# Altium PCB PM12_CFD.PcbDoc (part 11 of 12)
Units mm, origin at the board's own origin, x right, y up, seen from the top; angles counter-clockwise.
Board outline 96.25 x 362.25 mm, 6 copper layers (Top Layer, Mid-Layer 1, Mid-Layer 2, Mid-Layer 3, Mid-Layer 4, Bottom Layer); 1413 components, 2881 nets, 4503 pads, 1682 vias.
Unrouted connection lines stored in the file: 4.
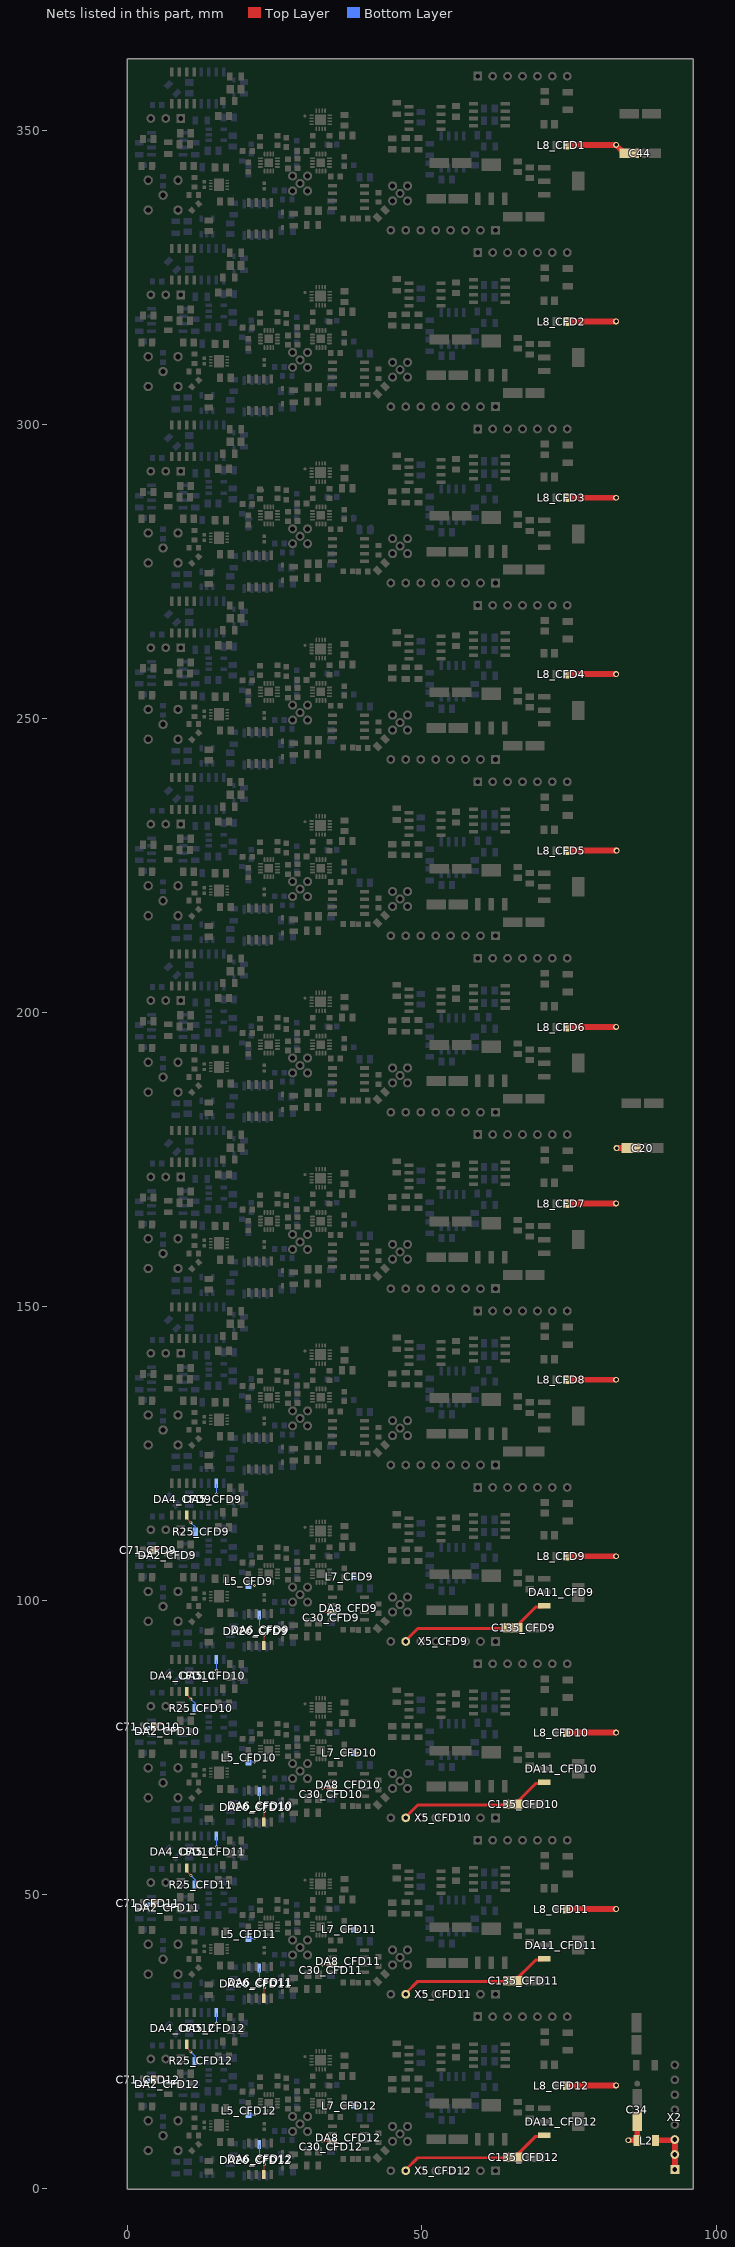
[diagram p15: the nets of this part, all layers, seen from the top]

## Via types
v1: diameter 0.48, hole 0.25, Top Layer to Bottom Layer, 1581 vias
v2: diameter 1, hole 0.6, Top Layer to Bottom Layer, 46 vias
v3: diameter 0.2/0/0/0/0/0.48 (per signal layer), hole 0.25, Top Layer to Bottom Layer, 33 vias
v4: diameter 4, hole 2.2, Top Layer to Bottom Layer, 12 vias
v5: diameter 0.5/0/0/0/0/1 (per signal layer), hole 0.6, Top Layer to Bottom Layer, 10 vias

## Nets (pads, with @x,y where several pads share a name; then routed paths per layer and width w, separated by ;. In a path a pad name is that pad's centre, name@x,y a point inside that pad or via, vN(x,y) a via of type N, cw(c..) or ccw(c..) an arc to the next point about the centre after c; other vN are vias at no path point) (continued)
P5V0_CFD9: C30_CFD9.2 C71_CFD9.2 C135_CFD9.1 DA2_CFD9.3 DA4_CFD9.7 DA5_CFD9.7 DA6_CFD9.7 DA8_CFD9.7 DA11_CFD9.3 DA20_CFD9.7 L5_CFD9.1 L7_CFD9.1 R25_CFD9.1 X5_CFD9.7 | length 43.8
  Top Layer w0.2: C71_CFD9.2@4.5,108.44 4.5,108.577 4.869,108.946 5.746,108.946 v1(5.8,109) ; DA4_CFD9.7@10,114.7 10,113.925 10.7,113.225 v1(10.7,113.2) ; DA6_CFD9.7@23.2,92.3 v3(23.2,94.1) ; v1(33.1,98) DA8_CFD9.7@35,98
  Top Layer w0.5: X5_CFD9.7@47.26,93.2 49.26,95.2 65.7,95.2 69.35,98.85 70.45,98.85 DA11_CFD9.3@70.7,99.1
  Bottom Layer w0.2: DA2_CFD9.3@4.2,108.44 4.95,108.44 5.456,108.946 5.746,108.946 v1(5.8,109) ; v1(10.7,113.2) 11.43,112.47 R25_CFD9.1@11.43,111.7 ; v1(15.07,118.1) DA5_CFD9.7@15.07,119.7 ; L5_CFD9.1@20.507,102.55 21.503,102.55 v1(21.53,102.523) ; v1(22.33,95.17) 22.38,95.22 22.38,97.25 DA20_CFD9.7@22.43,97.3 ; v1(33.1,98) C30_CFD9.2@34.6,98 ; L7_CFD9.1@38.264,104 v1(39.13,104)
  other v1: 23.2,94.1
P5V0_CFD10: C30_CFD10.2 C71_CFD10.2 C135_CFD10.1 DA2_CFD10.3 DA4_CFD10.7 DA5_CFD10.7 DA6_CFD10.7 DA8_CFD10.7 DA11_CFD10.3 DA20_CFD10.7 L5_CFD10.1 L7_CFD10.1 R25_CFD10.1 X5_CFD10.7 | length 43.8
  Top Layer w0.2: C71_CFD10.2@4.5,78.44 4.5,78.577 4.869,78.946 5.746,78.946 v1(5.8,79) ; DA4_CFD10.7@10,84.7 10,83.925 10.7,83.225 v1(10.7,83.2) ; DA6_CFD10.7@23.2,62.3 v1(23.2,64.1) ; v1(33.1,68) DA8_CFD10.7@35,68
  Top Layer w0.5: X5_CFD10.7@47.26,63.2 49.26,65.2 65.7,65.2 69.35,68.85 70.45,68.85 DA11_CFD10.3@70.7,69.1
  Bottom Layer w0.2: DA2_CFD10.3@4.2,78.44 4.95,78.44 5.456,78.946 5.746,78.946 v1(5.8,79) ; v1(10.7,83.2) 11.43,82.47 R25_CFD10.1@11.43,81.7 ; v1(15.07,88.1) DA5_CFD10.7@15.07,89.7 ; L5_CFD10.1@20.507,72.55 21.503,72.55 v1(21.53,72.523) ; v1(22.33,65.17) 22.38,65.22 22.38,67.25 DA20_CFD10.7@22.43,67.3 ; v1(33.1,68) C30_CFD10.2@34.6,68 ; L7_CFD10.1@38.264,74 v1(39.13,74)
  other v3: 23.2,64.1
P5V0_CFD11: C30_CFD11.2 C71_CFD11.2 C135_CFD11.1 DA2_CFD11.3 DA4_CFD11.7 DA5_CFD11.7 DA6_CFD11.7 DA8_CFD11.7 DA11_CFD11.3 DA20_CFD11.7 L5_CFD11.1 L7_CFD11.1 R25_CFD11.1 X5_CFD11.7 | length 43.8
  Top Layer w0.2: C71_CFD11.2@4.5,48.44 4.5,48.577 4.869,48.946 5.746,48.946 v1(5.8,49) ; DA4_CFD11.7@10,54.7 10,53.925 10.7,53.225 v1(10.7,53.2) ; DA6_CFD11.7@23.2,32.3 v3(23.2,34.1) ; v1(33.1,38) DA8_CFD11.7@35,38
  Top Layer w0.5: X5_CFD11.7@47.26,33.2 49.26,35.2 65.7,35.2 69.35,38.85 70.45,38.85 DA11_CFD11.3@70.7,39.1
  Bottom Layer w0.2: DA2_CFD11.3@4.2,48.44 4.95,48.44 5.456,48.946 5.746,48.946 v1(5.8,49) ; v1(10.7,53.2) 11.43,52.47 R25_CFD11.1@11.43,51.7 ; v1(15.07,58.1) DA5_CFD11.7@15.07,59.7 ; L5_CFD11.1@20.507,42.55 21.503,42.55 v1(21.53,42.523) ; v1(22.33,35.17) 22.38,35.22 22.38,37.25 DA20_CFD11.7@22.43,37.3 ; v1(33.1,38) C30_CFD11.2@34.6,38 ; L7_CFD11.1@38.264,44 v1(39.13,44)
  other v1: 23.2,34.1
P5V0_CFD12: C30_CFD12.2 C71_CFD12.2 C135_CFD12.1 DA2_CFD12.3 DA4_CFD12.7 DA5_CFD12.7 DA6_CFD12.7 DA8_CFD12.7 DA11_CFD12.3 DA20_CFD12.7 L5_CFD12.1 L7_CFD12.1 R25_CFD12.1 X5_CFD12.7 | length 43.8
  Top Layer w0.2: C71_CFD12.2@4.5,18.44 4.5,18.577 4.869,18.946 5.746,18.946 v1(5.8,19) ; DA4_CFD12.7@10,24.7 10,23.925 10.7,23.225 v1(10.7,23.2) ; DA6_CFD12.7@23.2,2.3 v1(23.2,4.1) ; v1(33.1,8) DA8_CFD12.7@35,8
  Top Layer w0.5: X5_CFD12.7@47.26,3.2 49.26,5.2 65.7,5.2 69.35,8.85 70.45,8.85 DA11_CFD12.3@70.7,9.1
  Bottom Layer w0.2: DA2_CFD12.3@4.2,18.44 4.95,18.44 5.456,18.946 5.746,18.946 v1(5.8,19) ; v1(10.7,23.2) 11.43,22.47 R25_CFD12.1@11.43,21.7 ; v1(15.07,28.1) DA5_CFD12.7@15.07,29.7 ; L5_CFD12.1@20.507,12.55 21.503,12.55 v1(21.53,12.523) ; v1(22.33,5.17) 22.38,5.22 22.38,7.25 DA20_CFD12.7@22.43,7.3 ; v1(33.1,8) C30_CFD12.2@34.6,8 ; L7_CFD12.1@38.264,14 v1(39.13,14)
  other v3: 23.2,4.1
P5V5: C20.1 C34.1 C44.1 L2.2 L8_CFD1.1 L8_CFD2.1 L8_CFD3.1 L8_CFD4.1 L8_CFD5.1 L8_CFD6.1 L8_CFD7.1 L8_CFD8.1 L8_CFD9.1 L8_CFD10.1 L8_CFD11.1 L8_CFD12.1 | length 110.1
  Top Layer w1: L8_CFD12.1@74.6,17.5 v2(83,17.5) ; L8_CFD11.1@74.6,47.5 v2(83,47.5) ; L8_CFD10.1@74.6,77.5 v2(83,77.5) ; L8_CFD9.1@74.6,107.5 v2(83,107.5) ; L8_CFD8.1@74.6,137.5 v2(83,137.5) ; L8_CFD7.1@74.6,167.5 v2(83,167.5) ; L8_CFD6.1@74.6,197.5 v2(83,197.5) ; L8_CFD4.1@74.6,257.5 v2(83,257.5) ; L8_CFD1.1@74.6,347.5 v2(83,347.5) 84.5,346 C44.1@85,346 ; L8_CFD3.1@74.63,287.5 v2@83.03,287.5 ; L8_CFD2.1@74.63,317.5 v2@83.03,317.5 ; L8_CFD5.1@74.7,227.5 v2(83.1,227.5) ; v2(83.1,176.9) C20.1@85.3,176.9 ; v2@85.14,8.18 86.6,8.18 C34.1@86.6,11.2
  other v2: 85.1,8.18 83,287.5 83,317.5
P5V5_PM12: L2.1 X2.1 X2.2 X2.3 | length 8.3
  Top Layer w1: L2.1@89.7,8.18 93,8.18 93,5.76 93,3.22 X2.1@93,3.2
X5_CFD1_1: 
X5_CFD1_4: 
X12_CFD1: 
pads on no net: DA2_CFD1.7 DA2_CFD2.7 DA2_CFD3.7 DA2_CFD4.7 DA2_CFD5.7 DA2_CFD6.7 DA2_CFD7.7 DA2_CFD8.7 DA2_CFD9.7 DA2_CFD10.7 DA2_CFD11.7 DA2_CFD12.7 DA4_CFD1.1 DA4_CFD1.5 DA4_CFD1.8 DA4_CFD2.1 DA4_CFD2.5 DA4_CFD2.8 DA4_CFD3.1 DA4_CFD3.5 DA4_CFD3.8 DA4_CFD4.1 DA4_CFD4.5 DA4_CFD4.8 DA4_CFD5.1 DA4_CFD5.5 DA4_CFD5.8 DA4_CFD6.1 DA4_CFD6.5 DA4_CFD6.8 DA4_CFD7.1 DA4_CFD7.5 DA4_CFD7.8 DA4_CFD8.1 DA4_CFD8.5 DA4_CFD8.8 DA4_CFD9.1 DA4_CFD9.5 DA4_CFD9.8 DA4_CFD10.1 DA4_CFD10.5 DA4_CFD10.8 DA4_CFD11.1 DA4_CFD11.5 DA4_CFD11.8 DA4_CFD12.1 DA4_CFD12.5 DA4_CFD12.8 DA5_CFD1.1 DA5_CFD1.5 DA5_CFD1.8 DA5_CFD2.1 DA5_CFD2.5 DA5_CFD2.8 DA5_CFD3.1 DA5_CFD3.5 DA5_CFD3.8 DA5_CFD4.1 DA5_CFD4.5 DA5_CFD4.8 DA5_CFD5.1 DA5_CFD5.5 DA5_CFD5.8 DA5_CFD6.1 DA5_CFD6.5 DA5_CFD6.8 DA5_CFD7.1 DA5_CFD7.5 DA5_CFD7.8 DA5_CFD8.1 DA5_CFD8.5 DA5_CFD8.8 DA5_CFD9.1 DA5_CFD9.5 DA5_CFD9.8 DA5_CFD10.1 DA5_CFD10.5 DA5_CFD10.8 DA5_CFD11.1 DA5_CFD11.5 DA5_CFD11.8 DA5_CFD12.1 DA5_CFD12.5 DA5_CFD12.8 DA6_CFD1.1 DA6_CFD1.5 DA6_CFD1.8 DA6_CFD2.1 DA6_CFD2.5 DA6_CFD2.8 DA6_CFD3.1 DA6_CFD3.5 DA6_CFD3.8 DA6_CFD4.1 DA6_CFD4.5 DA6_CFD4.8 DA6_CFD5.1 DA6_CFD5.5 DA6_CFD5.8 DA6_CFD6.1 DA6_CFD6.5 DA6_CFD6.8 DA6_CFD7.1 DA6_CFD7.5 DA6_CFD7.8 DA6_CFD8.1 DA6_CFD8.5 DA6_CFD8.8 DA6_CFD9.1 DA6_CFD9.5 DA6_CFD9.8 DA6_CFD10.1 DA6_CFD10.5 DA6_CFD10.8 DA6_CFD11.1 DA6_CFD11.5 DA6_CFD11.8 DA6_CFD12.1 DA6_CFD12.5 DA6_CFD12.8 DA7_CFD1.1 DA7_CFD2.1 DA7_CFD3.1 DA7_CFD4.1 DA7_CFD5.1 DA7_CFD6.1 DA7_CFD7.1 DA7_CFD8.1 DA7_CFD9.1 DA7_CFD10.1 DA7_CFD11.1 DA7_CFD12.1 DA8_CFD1.1 DA8_CFD1.5 DA8_CFD1.8 DA8_CFD2.1 DA8_CFD2.5 DA8_CFD2.8 DA8_CFD3.1 DA8_CFD3.5 DA8_CFD3.8 DA8_CFD4.1 DA8_CFD4.5 DA8_CFD4.8 DA8_CFD5.1 DA8_CFD5.5 DA8_CFD5.8 DA8_CFD6.1 DA8_CFD6.5 DA8_CFD6.8 DA8_CFD7.1 DA8_CFD7.5 DA8_CFD7.8 DA8_CFD8.1 DA8_CFD8.5 DA8_CFD8.8 DA8_CFD9.1 DA8_CFD9.5 DA8_CFD9.8 DA8_CFD10.1 DA8_CFD10.5 DA8_CFD10.8 DA8_CFD11.1 DA8_CFD11.5 DA8_CFD11.8 DA8_CFD12.1 DA8_CFD12.5 DA8_CFD12.8 DA9_CFD1.1 DA9_CFD1.17 DA9_CFD2.1 DA9_CFD2.17 DA9_CFD3.1 DA9_CFD3.17 DA9_CFD4.1 DA9_CFD4.17 DA9_CFD5.1 DA9_CFD5.17 DA9_CFD6.1 DA9_CFD6.17 DA9_CFD7.1 DA9_CFD7.17 DA9_CFD8.1 DA9_CFD8.17 DA9_CFD9.1 DA9_CFD9.17 DA9_CFD10.1 DA9_CFD10.17 DA9_CFD11.1 DA9_CFD11.17 DA9_CFD12.1 DA9_CFD12.17 DA10_CFD1.1 DA10_CFD1.4 DA10_CFD1.17 DA10_CFD2.1 DA10_CFD2.4 DA10_CFD2.17 DA10_CFD3.1 DA10_CFD3.4 DA10_CFD3.17 DA10_CFD4.1 DA10_CFD4.4 DA10_CFD4.17 DA10_CFD5.1 DA10_CFD5.4 DA10_CFD5.17 DA10_CFD6.1 DA10_CFD6.4 DA10_CFD6.17 DA10_CFD7.1 DA10_CFD7.4 DA10_CFD7.17 DA10_CFD8.1 DA10_CFD8.4 DA10_CFD8.17 DA10_CFD9.1 DA10_CFD9.4 DA10_CFD9.17 DA10_CFD10.1 DA10_CFD10.4 DA10_CFD10.17 DA10_CFD11.1 DA10_CFD11.4 DA10_CFD11.17 DA10_CFD12.1 DA10_CFD12.4 DA10_CFD12.17 DA20_CFD1.1 DA20_CFD1.5 DA20_CFD1.8 DA20_CFD2.1 DA20_CFD2.5 DA20_CFD2.8 DA20_CFD3.1 DA20_CFD3.5 DA20_CFD3.8 DA20_CFD4.1 DA20_CFD4.5 DA20_CFD4.8 DA20_CFD5.1 DA20_CFD5.5 DA20_CFD5.8 DA20_CFD6.1 DA20_CFD6.5 DA20_CFD6.8 DA20_CFD7.1 DA20_CFD7.5 DA20_CFD7.8 DA20_CFD8.1 DA20_CFD8.5 DA20_CFD8.8 DA20_CFD9.1 DA20_CFD9.5 DA20_CFD9.8 DA20_CFD10.1 DA20_CFD10.5 DA20_CFD10.8 DA20_CFD11.1 DA20_CFD11.5 DA20_CFD11.8 DA20_CFD12.1 DA20_CFD12.5 DA20_CFD12.8 DD2_CFD1.17 DD2_CFD2.17 DD2_CFD3.17 DD2_CFD4.17 DD2_CFD5.17 DD2_CFD6.17 DD2_CFD7.17 DD2_CFD8.17 DD2_CFD9.17 DD2_CFD10.17 DD2_CFD11.17 DD2_CFD12.17 DD9_CFD1.1 DD9_CFD1.4 DD9_CFD2.1 DD9_CFD2.4 DD9_CFD3.1 DD9_CFD3.4 DD9_CFD4.1 DD9_CFD4.4 DD9_CFD5.1 DD9_CFD5.4 DD9_CFD6.1 DD9_CFD6.4 DD9_CFD7.1 DD9_CFD7.4 DD9_CFD8.1 DD9_CFD8.4 DD9_CFD9.1 DD9_CFD9.4 DD9_CFD10.1 DD9_CFD10.4 DD9_CFD11.1 DD9_CFD11.4 DD9_CFD12.1 DD9_CFD12.4
copper on no net: | length 1832.1
  Top Layer w0.25: 0,0 0,362 96,362 96,0 0,0
  Bottom Layer w0.2: 48.4,323.35 48.45,323.3
  Bottom Layer w0.25: 0,0 0,362 96,362 96,0 0,0

## Polygon pours and split planes (outlines as drawn)
GND on Top Layer "GND_L01_P2872" (solid, pour order 2872): 21.8,360.8 80.9,360.8 80.9,352.1 70.069,352.1 64.169,346.2 23.572,346.2 21.8,347.972
GND on Top Layer "GND_L01_P2882" (solid, pour order 2882): 21.8,60.8 80.9,60.8 80.9,52.1 70.069,52.1 64.169,46.2 23.572,46.2 21.8,47.972
GND on Top Layer "GND_L01_P2875" (solid, pour order 2875): 21.8,270.8 80.9,270.8 80.9,262.1 70.069,262.1 64.169,256.2 23.572,256.2 21.8,257.972
GND on Top Layer "GND_L01_P2876" (solid, pour order 2876): 21.8,240.8 80.9,240.8 80.9,232.1 70.069,232.1 64.169,226.2 23.572,226.2 21.8,227.973
GND on Top Layer "GND_L01_P2878" (solid, pour order 2878): 21.8,180.8 80.9,180.8 80.9,172.1 70.069,172.1 64.169,166.2 23.572,166.2 21.8,167.972
GND on Top Layer "GND_L01_P2877" (solid, pour order 2877): 21.8,210.8 80.9,210.8 80.9,202.1 70.069,202.1 64.169,196.2 23.572,196.2 21.8,197.972
GND on Top Layer "GND_L01_P2883" (solid, pour order 2883): 21.8,30.8 80.9,30.8 80.9,22.1 70.069,22.1 64.169,16.2 23.572,16.2 21.8,17.972
GND on Top Layer "GND_L01_P2881" (solid, pour order 2881): 21.8,90.8 80.9,90.8 80.9,82.1 70.069,82.1 64.169,76.2 23.572,76.2 21.8,77.972
GND on Top Layer "GND_L01_P2880" (solid, pour order 2880): 21.8,120.8 80.9,120.8 80.9,112.1 70.069,112.1 64.169,106.2 23.572,106.2 21.8,107.972
GND on Top Layer "GND_L01_P2879" (solid, pour order 2879): 21.8,150.8 80.9,150.8 80.9,142.1 70.069,142.1 64.169,136.2 23.572,136.2 21.8,137.973
GND on Top Layer "GND_L01_P2874" (solid, pour order 2874): 21.8,300.8 80.9,300.8 80.9,292.1 70.069,292.1 64.169,286.2 23.572,286.2 21.8,287.972
GND on Top Layer "GND_L01_P2873" (solid, pour order 2873): 21.8,330.8 80.9,330.8 80.9,322.1 70.069,322.1 64.169,316.2 23.572,316.2 21.8,317.972
GND on Top Layer "Top Layer-$Net1240" (solid, pour order 1): 36 vertices, not listed, extent 30.455,308.7 34,312.434
GND on Top Layer "Top Layer-$Net1236" (solid, pour order 2): 36 vertices, not listed, extent 30.455,278.7 34,282.434
GND on Top Layer "Top Layer-$Net1228" (solid, pour order 3): 36 vertices, not listed, extent 30.455,248.7 34,252.434
GND on Top Layer "Top Layer-$Net1224" (solid, pour order 4): 36 vertices, not listed, extent 30.455,218.7 34,222.434
GND on Top Layer "Top Layer-$Net1216" (solid, pour order 5): 36 vertices, not listed, extent 30.455,188.7 34,192.434
GND on Top Layer "Top Layer-$Net1212" (solid, pour order 6): 36 vertices, not listed, extent 30.455,158.7 34,162.434
GND on Top Layer "Top Layer-$Net1200" (solid, pour order 8): 36 vertices, not listed, extent 30.455,98.7 34,102.434
GND on Top Layer "Top Layer-$Net1192" (solid, pour order 9): 36 vertices, not listed, extent 30.455,68.7 34,72.434
GND on Top Layer "Top Layer-$Net1188" (solid, pour order 10): 36 vertices, not listed, extent 30.455,38.7 34,42.434
GND on Top Layer "Top Layer-$Net1180" (solid, pour order 11): 36 vertices, not listed, extent 30.455,8.7 34,12.434
GND on Top Layer "Top Layer-$Net840" (solid, pour order 13): 43.415,301 33.1,301 33.1,303.91 43.415,303.91
GND on Top Layer "Top Layer-$Net736" (solid, pour order 14): 43.415,271 33.1,271 33.1,273.91 43.415,273.91
GND on Top Layer "Top Layer-$Net635" (solid, pour order 15): 43.415,241 33.1,241 33.1,243.91 43.415,243.91
GND on Top Layer "Top Layer-$Net620" (solid, pour order 16): 43.415,211 33.1,211 33.1,213.91 43.415,213.91
GND on Top Layer "Top Layer-$Net530" (solid, pour order 17): 43.415,181 33.1,181 33.1,183.91 43.415,183.91
GND on Top Layer "Top Layer-$Net428" (solid, pour order 18): 43.415,151 33.1,151 33.1,153.91 43.415,153.91
GND on Top Layer "Top Layer-$Net333" (solid, pour order 19): 43.415,121 33.1,121 33.1,123.91 43.415,123.91
GND on Top Layer "Top Layer-$Net302" (solid, pour order 20): 43.415,91 33.1,91 33.1,93.91 43.415,93.91
GND on Top Layer "Top Layer-$Net160" (solid, pour order 21): 43.415,61 33.1,61 33.1,63.91 43.415,63.91
GND on Top Layer "Top Layer-$Net113" (solid, pour order 22): 43.415,31 33.1,31 33.1,33.91 43.415,33.91
GND on Top Layer "Top Layer-$Net3" (solid, pour order 23): 43.415,1 33.1,1 33.1,3.91 43.415,3.91
GND on Top Layer "Top Layer-$Net954" (solid, pour order 12): 43.385,331 33.07,331 33.07,333.91 43.385,333.91
GND on Top Layer "$Net928" (solid, pour order 7): 36 vertices, not listed, extent 30.455,128.7 34,132.434
GND on Top Layer "Top Layer-$Net1245" (solid, pour order 0): 36 vertices, not listed, extent 30.425,338.7 33.97,342.434
GND on Bottom Layer "GND_L06_P2889" (solid, pour order 2889): 33.47,101 33.47,94.425 34.63,93.265 41.779,93.265 43.519,95.005 45.532,95.005 48.1,97.572 48.1,101
GND on Bottom Layer "GND_L06_P2888" (solid, pour order 2888): 33.47,71 33.47,64.425 34.63,63.265 41.779,63.265 43.519,65.005 45.532,65.005 48.1,67.573 48.1,71
GND on Bottom Layer "GND_L06_P2887" (solid, pour order 2887): 33.47,41 33.47,34.425 34.63,33.265 41.779,33.265 43.519,35.005 45.532,35.005 48.1,37.573 48.1,41
GND on Bottom Layer "GND_L06_P2886" (solid, pour order 2886): 33.47,11 33.47,4.425 34.63,3.265 41.779,3.265 43.519,5.005 45.532,5.005 48.1,7.572 48.1,11
GND on Bottom Layer "GND_L06_P2896" (solid, pour order 2896): 33.47,311 33.47,304.425 34.63,303.265 41.779,303.265 43.519,305.005 45.532,305.005 48.1,307.573 48.1,311
GND on Bottom Layer "GND_L06_P2895" (solid, pour order 2895): 33.47,281 33.47,274.425 34.63,273.265 41.779,273.265 43.519,275.005 45.532,275.005 48.1,277.573 48.1,281
GND on Bottom Layer "GND_L06_P2894" (solid, pour order 2894): 33.47,251 33.47,244.425 34.63,243.265 41.779,243.265 43.519,245.005 45.532,245.005 48.1,247.572 48.1,251
GND on Bottom Layer "GND_L06_P2893" (solid, pour order 2893): 33.47,221 33.47,214.425 34.63,213.265 41.779,213.265 43.519,215.005 45.532,215.005 48.1,217.573 48.1,221
GND on Bottom Layer "GND_L06_P2892" (solid, pour order 2892): 33.47,191 33.47,184.425 34.63,183.265 41.779,183.265 43.519,185.005 45.532,185.005 48.1,187.573 48.1,191
GND on Bottom Layer "GND_L06_P2891" (solid, pour order 2891): 33.47,161 33.47,154.425 34.63,153.265 41.779,153.265 43.519,155.005 45.532,155.005 48.1,157.572 48.1,161
GND on Bottom Layer "GND_L06_P2890" (solid, pour order 2890): 33.47,131 33.47,124.425 34.63,123.265 41.779,123.265 43.519,125.005 45.532,125.005 48.1,127.573 48.1,131
GND on Bottom Layer "GND_L06_P2885" (solid, pour order 2885): 33.47,341 33.47,334.425 34.63,333.265 41.779,333.265 43.519,335.005 45.532,335.005 48.1,337.572 48.1,341
GND on Bottom Layer "GND_L06_P2908" (solid, pour order 2908): 17 vertices, not listed, extent 0.53,305.44 18,312.44
GND on Bottom Layer "GND_L06_P2907" (solid, pour order 2907): 17 vertices, not listed, extent 0.53,275.44 18,282.44
GND on Bottom Layer "GND_L06_P2906" (solid, pour order 2906): 17 vertices, not listed, extent 0.53,245.44 18,252.44
GND on Bottom Layer "GND_L06_P2905" (solid, pour order 2905): 17 vertices, not listed, extent 0.53,215.44 18,222.44
GND on Bottom Layer "GND_L06_P2904" (solid, pour order 2904): 17 vertices, not listed, extent 0.53,185.44 18,192.44
GND on Bottom Layer "GND_L06_P2903" (solid, pour order 2903): 17 vertices, not listed, extent 0.53,155.44 18,162.44
GND on Bottom Layer "GND_L06_P2902" (solid, pour order 2902): 17 vertices, not listed, extent 0.53,125.44 18,132.44
GND on Bottom Layer "GND_L06_P2901" (solid, pour order 2901): 17 vertices, not listed, extent 0.53,95.44 18,102.44
GND on Bottom Layer "GND_L06_P2900" (solid, pour order 2900): 17 vertices, not listed, extent 0.53,65.44 18,72.44
GND on Bottom Layer "GND_L06_P2899" (solid, pour order 2899): 17 vertices, not listed, extent 0.53,35.44 18,42.44
GND on Bottom Layer "GND_L06_P2898" (solid, pour order 2898): 17 vertices, not listed, extent 0.53,5.44 18,12.44
GND on Bottom Layer "GND_L06_P2897" (solid, pour order 2897): 17 vertices, not listed, extent 0.53,335.44 18,342.44
GND on Mid-Layer 1 "Mid-Layer 1-$Net928" (solid, pour order 159): 14023 vertices, not listed, extent 0.5,0.5 95.5,361.5
GND on Mid-Layer 1 "Mid-Layer 1-No Net 1003" (solid, pour order 149): 594 vertices, not listed, extent 0.5,301.225 74.875,330.975
GND on Mid-Layer 1 "Mid-Layer 1-No Net 1004" (solid, pour order 148): 593 vertices, not listed, extent 0.5,1.225 74.826,30.975
GND on Mid-Layer 1 "Mid-Layer 1-No Net 994" (solid, pour order 158): 590 vertices, not listed, extent 0.5,31.225 74.875,60.975
GND on Mid-Layer 1 "Mid-Layer 1-No Net 995" (solid, pour order 157): 594 vertices, not listed, extent 0.5,61.225 74.875,90.975
GND on Mid-Layer 1 "Mid-Layer 1-No Net 996" (solid, pour order 156): 590 vertices, not listed, extent 0.5,91.225 74.875,120.975
GND on Mid-Layer 1 "Mid-Layer 1-No Net 997" (solid, pour order 155): 594 vertices, not listed, extent 0.5,121.225 74.875,150.975
GND on Mid-Layer 1 "Mid-Layer 1-No Net 998" (solid, pour order 154): 590 vertices, not listed, extent 0.5,151.225 74.875,180.975
GND on Mid-Layer 1 "Mid-Layer 1-No Net 999" (solid, pour order 153): 594 vertices, not listed, extent 0.5,181.225 74.875,210.975
GND on Mid-Layer 1 "Mid-Layer 1-No Net 1000" (solid, pour order 152): 590 vertices, not listed, extent 0.5,211.225 74.875,240.975
GND on Mid-Layer 1 "Mid-Layer 1-No Net 1001" (solid, pour order 151): 594 vertices, not listed, extent 0.5,241.225 74.875,270.975
GND on Mid-Layer 1 "Mid-Layer 1-$Net928 1" (solid, pour order 1154): 590 vertices, not listed, extent 0.5,331.225 74.875,360.775
GND on Mid-Layer 1 "Mid-Layer 1-No Net 1002" (solid, pour order 150): 590 vertices, not listed, extent 0.5,271.225 74.875,300.975
DA8_CFD12_N on Mid-Layer 2 "Mid-Layer 2-No Net 50" (solid, pour order 1217): 176 vertices, not listed, extent 44.76,2.15 63.35,5.94
DA10_LE_CFD2 on Mid-Layer 2 "Mid-Layer 2-No Net 56" (solid, pour order 1213): 319 vertices, not listed, extent 27.49,315.76 35.54,316.64
GND on Mid-Layer 2 "Mid-Layer 2-No Net 58" (solid, pour order 1211): 122 vertices, not listed, extent 21.6,309.23 33.3,313.8
DA8_CFD2_N on Mid-Layer 2 "Mid-Layer 2-No Net 60" (solid, pour order 1209): 274 vertices, not listed, extent 44.76,302.4 63.1,305.94
DA10_LE_CFD3 on Mid-Layer 2 "Mid-Layer 2-No Net 61" (solid, pour order 1208): 319 vertices, not listed, extent 27.49,285.76 35.54,286.64
P1V3_CFD3 on Mid-Layer 2 "Mid-Layer 2-No Net 62" (solid, pour order 1207): 448 vertices, not listed, extent 25.84,283.96 36.17,287.05
DA8_CFD3_N on Mid-Layer 2 "Mid-Layer 2-No Net 65" (solid, pour order 1204): 274 vertices, not listed, extent 44.76,272.4 63.1,275.94
DA10_LE_CFD4 on Mid-Layer 2 "Mid-Layer 2-No Net 66" (solid, pour order 1203): 319 vertices, not listed, extent 27.49,255.76 35.54,256.64
P1V3_CFD4 on Mid-Layer 2 "Mid-Layer 2-No Net 67" (solid, pour order 1202): 448 vertices, not listed, extent 25.84,253.96 36.17,257.05
DA10_LE_CFD5 on Mid-Layer 2 "Mid-Layer 2-No Net 71" (solid, pour order 1198): 319 vertices, not listed, extent 27.49,225.76 35.54,226.64
DA8_CFD5_N on Mid-Layer 2 "Mid-Layer 2-No Net 75" (solid, pour order 1194): 176 vertices, not listed, extent 44.76,212.15 63.35,215.94
DA10_LE_CFD6 on Mid-Layer 2 "Mid-Layer 2-No Net 76" (solid, pour order 1193): 319 vertices, not listed, extent 27.49,195.76 35.54,196.64
P1V3_CFD6 on Mid-Layer 2 "Mid-Layer 2-No Net 77" (solid, pour order 1192): 448 vertices, not listed, extent 25.84,193.96 36.17,197.05
DA8_CFD6_N on Mid-Layer 2 "Mid-Layer 2-No Net 80" (solid, pour order 1189): 176 vertices, not listed, extent 44.76,182.15 63.35,185.94
DA10_LE_CFD7 on Mid-Layer 2 "Mid-Layer 2-No Net 81" (solid, pour order 1188): 319 vertices, not listed, extent 27.49,165.76 35.54,166.64
P1V3_CFD7 on Mid-Layer 2 "Mid-Layer 2-No Net 82" (solid, pour order 1187): 448 vertices, not listed, extent 25.84,163.96 36.17,167.05
DA8_CFD2_N on Mid-Layer 2 "Mid-Layer 2-No Net 85" (solid, pour order 1184): 176 vertices, not listed, extent 44.76,152.15 63.35,155.94
DA10_LE_CFD8 on Mid-Layer 2 "Mid-Layer 2-No Net 86" (solid, pour order 1183): 319 vertices, not listed, extent 27.49,135.76 35.54,136.64
P1V3_CFD8 on Mid-Layer 2 "Mid-Layer 2-No Net 87" (solid, pour order 1182): 448 vertices, not listed, extent 25.84,133.96 36.17,137.05
DA8_CFD8_N on Mid-Layer 2 "Mid-Layer 2-No Net 90" (solid, pour order 1179): 176 vertices, not listed, extent 44.76,122.15 63.35,125.94
DA10_LE_CFD9 on Mid-Layer 2 "Mid-Layer 2-No Net 91" (solid, pour order 1178): 319 vertices, not listed, extent 27.49,105.76 35.54,106.64
P1V3_CFD9 on Mid-Layer 2 "Mid-Layer 2-No Net 92" (solid, pour order 1177): 448 vertices, not listed, extent 25.84,103.96 36.17,107.05
DA8_CFD9_N on Mid-Layer 2 "Mid-Layer 2-No Net 95" (solid, pour order 1174): 176 vertices, not listed, extent 44.76,92.15 63.35,95.94
DA10_LE_CFD10 on Mid-Layer 2 "Mid-Layer 2-No Net 96" (solid, pour order 1173): 319 vertices, not listed, extent 27.49,75.76 35.54,76.64
P1V3_CFD10 on Mid-Layer 2 "Mid-Layer 2-No Net 97" (solid, pour order 1172): 448 vertices, not listed, extent 25.84,73.96 36.17,77.05
DA8_CFD10_N on Mid-Layer 2 "Mid-Layer 2-No Net 100" (solid, pour order 1169): 176 vertices, not listed, extent 44.76,62.15 63.35,65.94
DA10_LE_CFD11 on Mid-Layer 2 "Mid-Layer 2-No Net 101" (solid, pour order 1168): 319 vertices, not listed, extent 27.49,45.76 35.54,46.64
P1V3_CFD11 on Mid-Layer 2 "Mid-Layer 2-No Net 102" (solid, pour order 1167): 448 vertices, not listed, extent 25.84,43.96 36.17,47.05
DA8_CFD11_N on Mid-Layer 2 "Mid-Layer 2-No Net 105" (solid, pour order 1164): 176 vertices, not listed, extent 44.76,32.15 63.35,35.94
DA10_LE_CFD12 on Mid-Layer 2 "Mid-Layer 2-No Net 106" (solid, pour order 1163): 319 vertices, not listed, extent 27.49,15.76 35.54,16.64
P1V3_CFD12 on Mid-Layer 2 "Mid-Layer 2-No Net 107" (solid, pour order 1162): 448 vertices, not listed, extent 25.84,13.96 36.17,17.05